# Altium PCB Stepper_Board.PcbDoc (part 1 of 2)
Units mil, origin at the board's own origin, x right, y up, seen from the top; angles counter-clockwise.
Board outline 8267.72 x 4724.41 mil, 2 copper layers (Top Layer, Bottom Layer), stack 62.255 mil thick; 204 components, 138 nets, 645 pads, 842 vias.
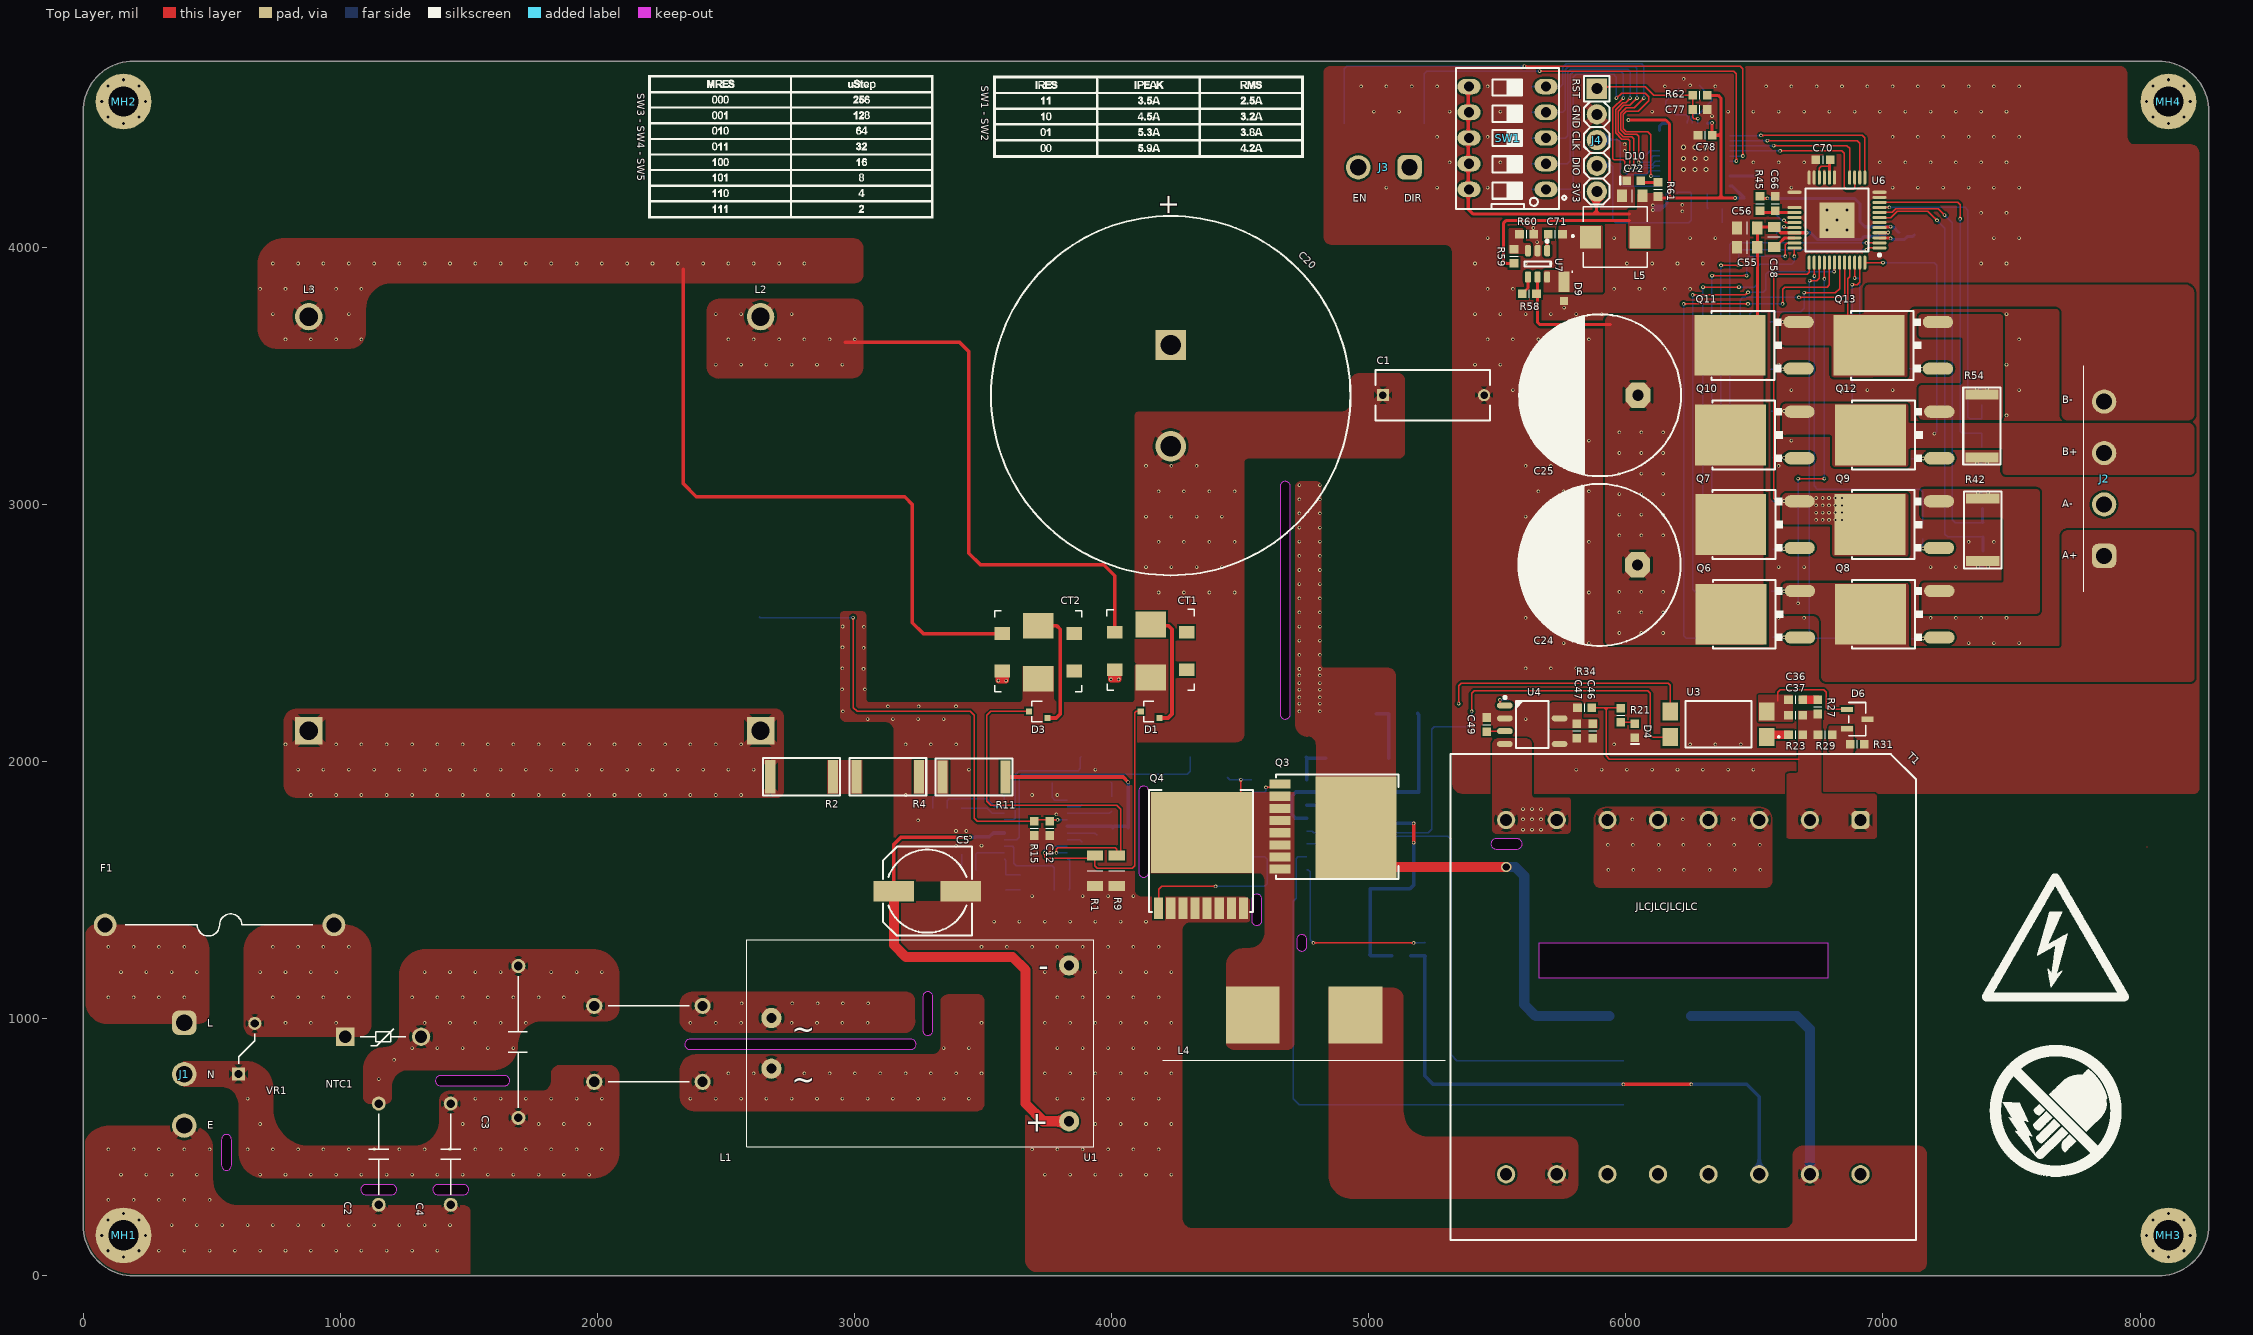
[diagram p0: Top Layer view]
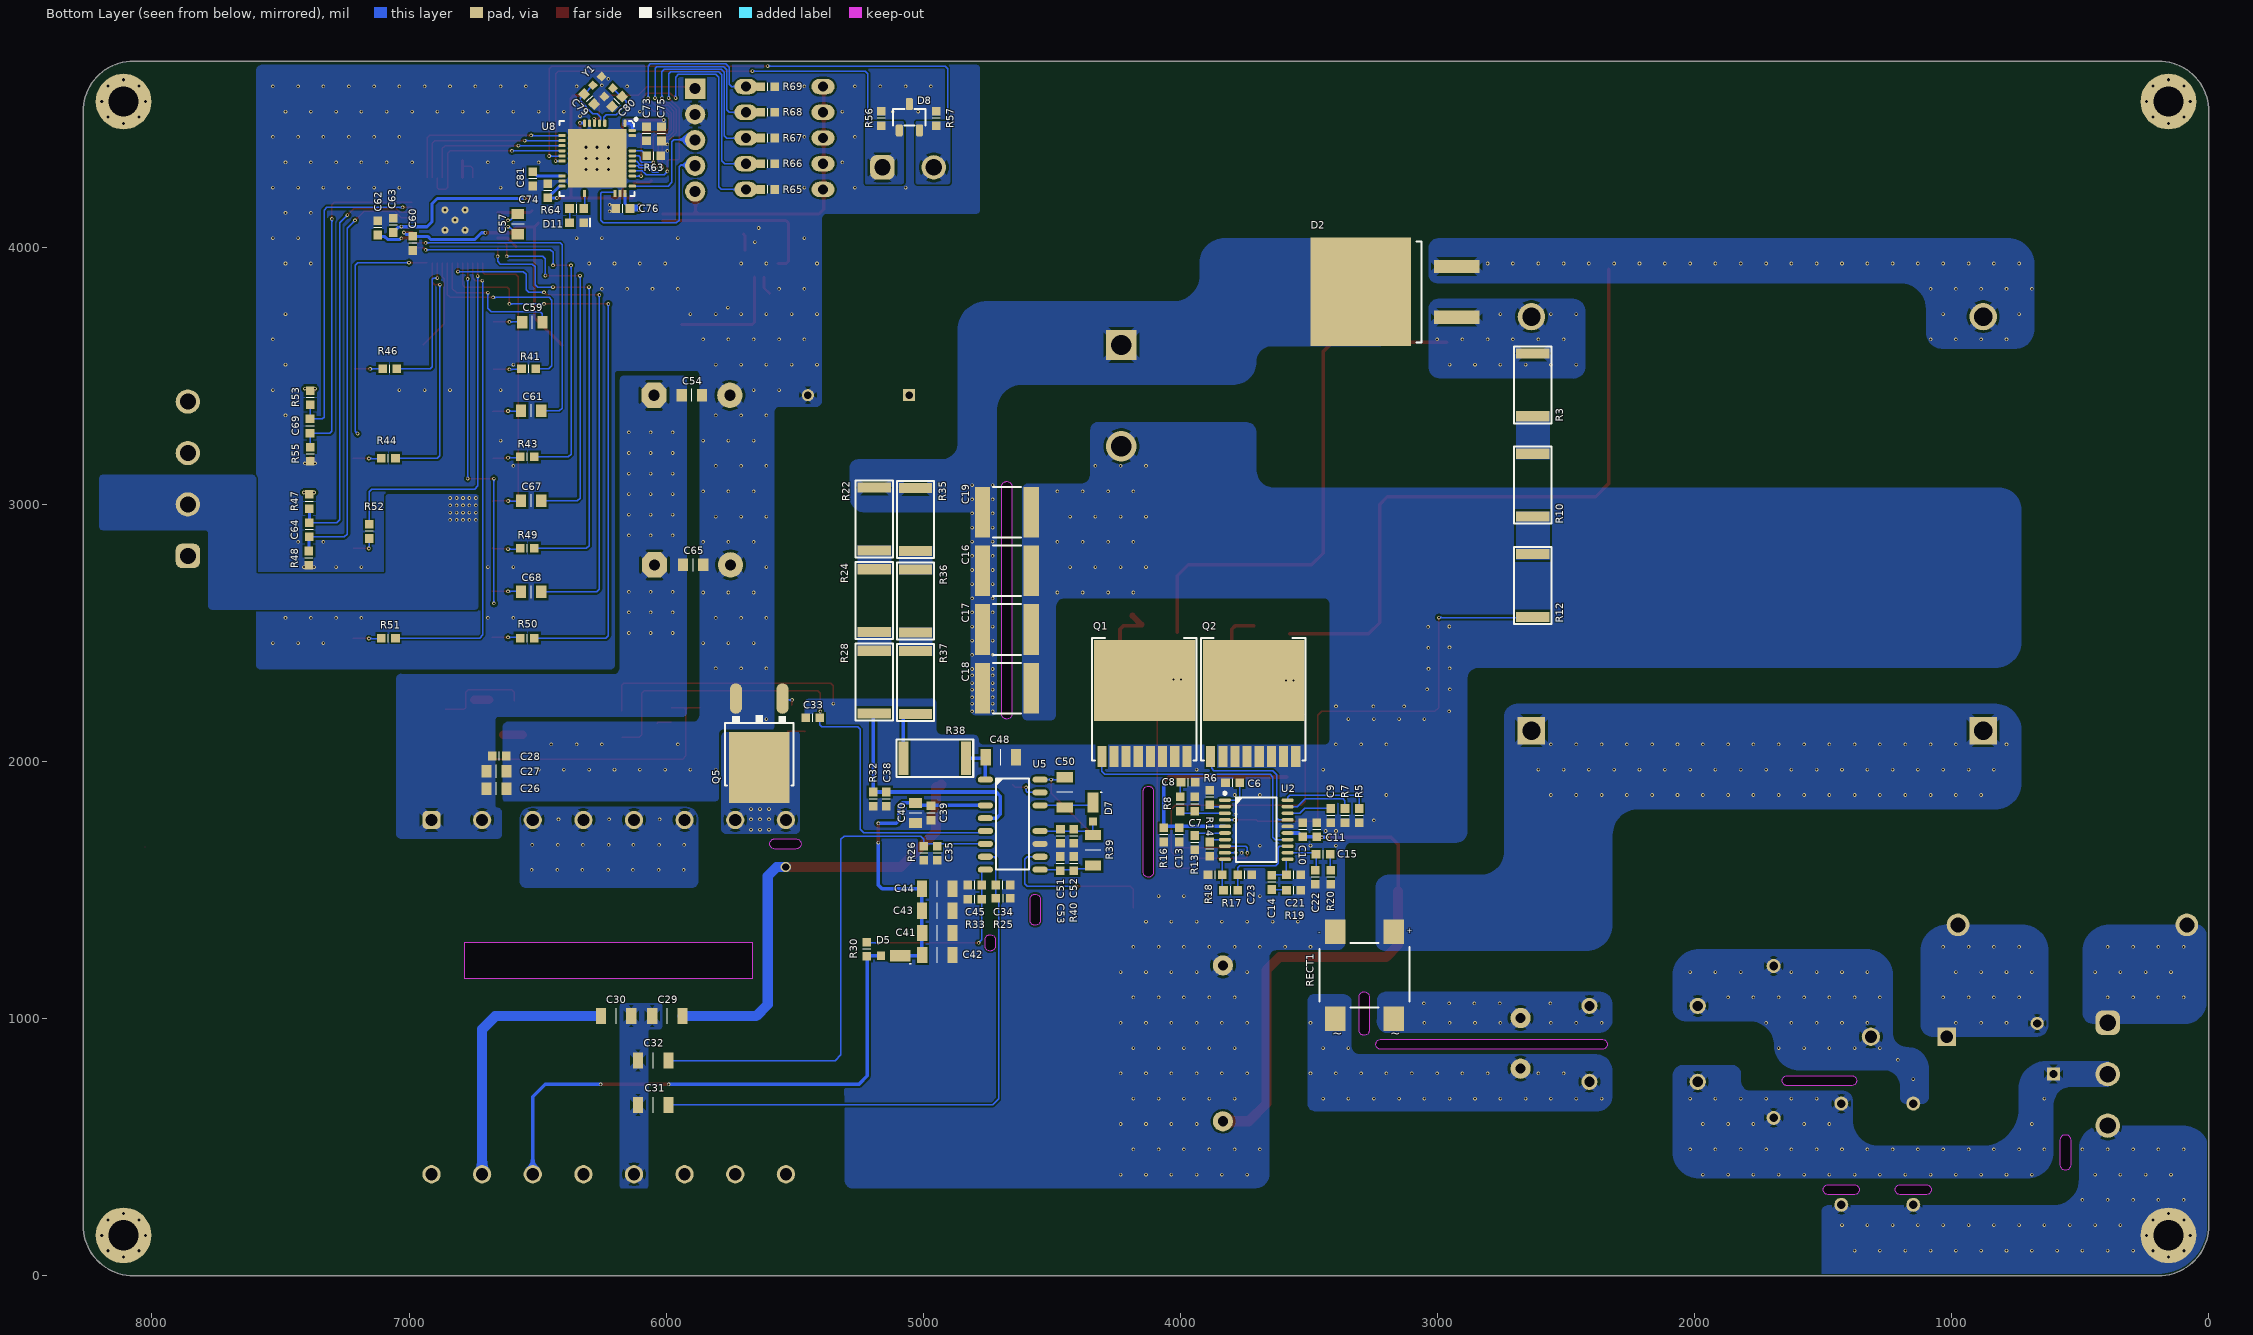
[diagram p1: Bottom Layer view, seen from below]
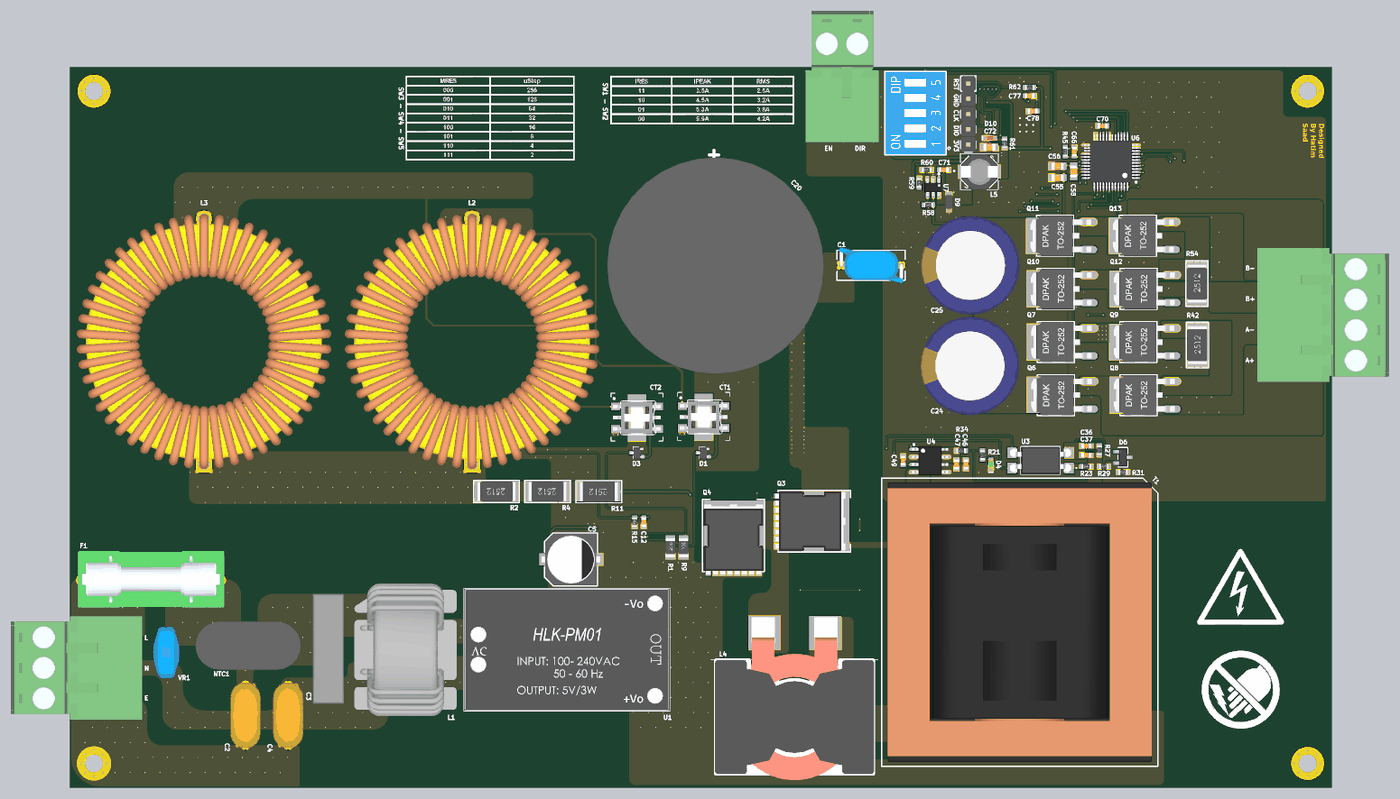
[diagram p3: 3D render of the assembled board from above, using the file's embedded part models]
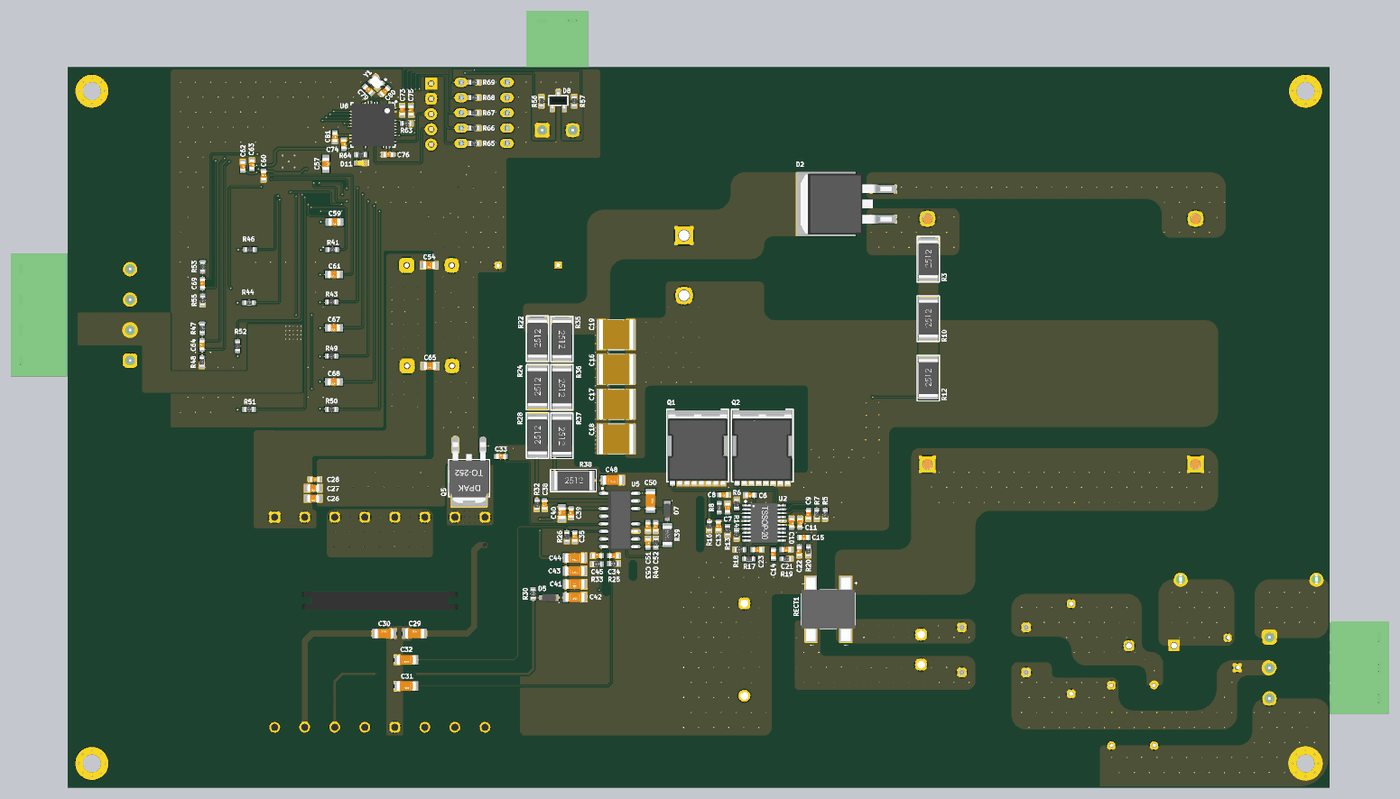
[diagram p4: 3D render of the assembled board from below, using the file's embedded part models]

## Layer stack, top to bottom
Top Solder: solder mask 0.6, Solder Resist, Dk 3.8
Top Layer: signal copper 1.6
Dielectric 1: dielectric 59.0551, FR-4, Dk 4.6
Bottom Layer: signal copper 1.6
Bottom Solder: solder mask 0.6, Solder Resist, Dk 3.8

## Board outline
0,196.85 0,4527.56 cw(c196.85,4527.56) 196.85,4724.41 8070.87,4724.41 cw(c8070.87,4527.56) 8267.72,4527.56 8267.72,196.85 cw(c8070.87,196.85) 8070.87,0 196.85,0 cw(c196.85,196.85)
cut-out: 4759.4,1307.5 ccw(c4739.7,1307.5) 4720,1307.5 4720,1282.5 ccw(c4739.7,1282.5) 4759.4,1282.5
cut-out: 4144.4,1885 ccw(c4124.7,1885) 4105,1885 4105,1570 ccw(c4124.7,1570) 4144.4,1570
cut-out: 5495,1699.4 ccw(c5495,1679.7) 5495,1660 5577.5,1660 ccw(c5577.5,1679.7) 5577.5,1699.4
cut-out: 4584.4,1465 ccw(c4564.7,1465) 4545,1465 4545,1382.5 ccw(c4564.7,1382.5) 4584.4,1382.5
cut-out: 4695,3070 ccw(c4675.3,3070) 4655.6,3070 4655.6,2185 ccw(c4675.3,2185) 4695,2185
cut-out: 2360,920 ccw(c2360,900.3) 2360,880.6 3220,880.6 ccw(c3220,900.3) 3220,920
cut-out: 3305,1085 ccw(c3285.3,1085) 3265.6,1085 3265.6,955 ccw(c3285.3,955) 3305,955
cut-out: 1640,739.3 ccw(c1640,759) 1640,778.7 1390,778.7 ccw(c1390,759) 1390,739.3
cut-out: 1480,315.6 ccw(c1480,335.3) 1480,355 1380,355 ccw(c1380,335.3) 1380,315.6
cut-out: 1200,315.6 ccw(c1200,335.3) 1200,355 1100,355 ccw(c1100,335.3) 1100,315.6
cut-out: 538.25,430 ccw(c557.95,430) 577.65,430 577.65,530 ccw(c557.95,530) 538.25,530

## Design rules (kind name [scope] priority, off if disabled: settings)
BoardOutlineClearance [All] p1: gap=7.87 ignorepadtopadclearanceinfootprint=FALSE
Clearance [All] p1: gap=7.87 ignorepadtopadclearanceinfootprint=TRUE except(5: Arc-Arc Arc-Track Arc-SMDPad Arc-Text Arc-Hole Track-Track Track-SMDPad Track-Text Track-Hole SMDPad-THPad SMDPad-Via SMDPad-Text SMDPad-Hole THPad-Via THPad-Text THPad-Hole Via-Text Via-Hole Fill-Text Fill-Hole Poly-Text Poly-Hole Region-Text Region-Hole Text-Text Text-Hole; 5.91: SMDPad-SMDPad; 13.78: Arc-THPad Track-THPad; 17.72: THPad-THPad)
DiffPairsRouting [All] p1: maxlimit=100 minlimit=5 mostfreqgap=5 toplayer_minwidth=5 toplayer_maxwidth=100 toplayer_prefwidth=5 bottomlayer_minwidth=5 bottomlayer_maxwidth=100 bottomlayer_prefwidth=5 maxuncoupledlength=500
Height [All] p1: minheight=0 maxheight=5000 prefheight=500
HoleSize [All] p1: absolutevalues=TRUE maxlimit=248.03 minlimit=11.81 maxpercent=80.000 minpercent=20.000
PolygonConnect [All] p1: thpad.connectstyle=Relief thpad.reliefconductorwidth=30 thpad.reliefentries=4 thpad.polygonreliefangle="45 Angle" thpad.airgapwidth=10 smdpad.connectstyle=Relief smdpad.reliefconductorwidth=30 smdpad.reliefentries=4 smdpad.polygonreliefangle="45 Angle" smdpad.airgapwidth=10 via.connectstyle=Direct via.reliefconductorwidth=10 via.reliefentries=4 via.polygonreliefangle="90 Angle" via.airgapwidth=10
RoutingVias [All] p1: holewidth=7.87 width=13.78 viastyle="Through Hole" minholewidth=7.87 minwidth=13.78 maxholewidth=248.03 maxwidth=100
SolderMaskExpansion [All] p1: expansion=4 istentingtop=FALSE
SupplyNets "Schematic Supply Nets_9" [InNet('M_VBUS')] p1: voltage=0.000
SupplyNets "Schematic Supply Nets_8" [InNet('N')] p2: voltage=0.000
SupplyNets "Schematic Supply Nets_7" [InNet('N_R')] p3: voltage=0.000
SupplyNets "Schematic Supply Nets_6" [InNet('PGND')] p4: voltage=0.000
SupplyNets "Schematic Supply Nets_5" [InNet('SGND')] p5: voltage=0.000
SupplyNets "Schematic Supply Nets_4" [InNet('Chassis')] p6: voltage=0.000
SupplyNets "Schematic Supply Nets_3" [InNet('L_R')] p7: voltage=0.000
SupplyNets "Schematic Supply Nets_2" [InNet('L')] p8: voltage=0.000
SupplyNets "Schematic Supply Nets_1" [InNet('3V3')] p9: voltage=0.000
UnRoutedNet [All] p1: checkbadconnections=TRUE
Width [All] p1: maxlimit=393.7 minlimit=5 preferedwidth=5 minimp=50.000000 maximp=50.000000 favimp=50.000000
26 further rules are at their usual default settings.

## Classes and differential pairs
component class "User Interface": R65 R66 R67 R68 R69 SW1
component class "Motor Output": D8 J2 J3 R56 R57 TRM?
component class MCU: C73 C74 C75 C76 C77 C78 C79 C80 C81 D10 D11 J4 R61 R62 R63 R64 U8 Y1
component class "Isolated DC-DC": C24 C25 C26 C27 C28 C29 C30 C31 C32 C33 C34 C35 C36 C37 C38 C39 C40 C41 C42 C43 C44 C45 C46 C47 C48 C49 C50 C51 C52 C53 D4 D5 D6 D7 L4 Q3 Q4 Q5 R21 R22 R23 R24 R25 R26 R27 R28 R29 R30 R31 R32 R33 R34 R35 R36 R37 R38 R39 R40 T1 U3 U4 U5
component class "Input Filter": C2 C3 C4 C5 F1 FUSE? J1 L1 NTC1 RECT1 TRM? U1 VR1
component class "H Bridge": C54 C55 C56 C57 C58 C59 C60 C61 C62 C63 C64 C65 C66 C67 C68 C69 C70 Q6 Q7 Q8 Q9 Q10 Q11 Q12 Q13 R42 R43 R44 R45 R46 R47 R48 R49 R50 R51 R52 R53 R54 R55 U6
component class Buck_Converter: C71 C72 D9 L5 R58 R59 R60 U7
component class "Boost PFC Controller": C6 C7 C8 C9 C10 C11 C12 C13 C14 C15 C16 C17 C18 C19 C20 C21 C22 C23 CT1 CT2 D1 D2 D3 L2 L3 Q1 Q2 R1 R2 R3 R4 R5 R6 R7 R8 R9 R10 R11 R12 R13 R14 R15 R16 R17 R18 R19 R20 U2
component class Block_Diagram: C1 MH1 MH2 MH3 MH4
differential pair MCU_XTAL: +MCU_XTAL_P -MCU_XTAL_N

## Components (designator, comment, footprint, x,y, rotation, side; value= is the part's Value field where it differs from the comment)
C1 "2.2nF" C10MM 5055,3425 r0 top
C2 "2.2nF" "CAP: 10MM CERAMIC DISC" 1150,276.3 r90 top
C3 "100nF" "CAP: 15MM FILM CAPACITOR" 1692.91,614.45 r90 top
C4 "2.2nF" "CAP: 10MM CERAMIC DISC" 1430,670 r270 top
C5 "100UF" "CAP SMD 8" 3281.53,1495 r0 top
C6 "2.2nF" "CAP: 0603" 3797.21,1917.31 r0 bottom
C7 "100pF" "CAP: 0603" 3945,1835 r270 bottom
C8 "220nF" "CAP: 0603" 3970,1920 r0 bottom
C9 "4.7nF" "CAP: 0603" 3415,1790 r90 bottom
C10 "0.1UF" "CAP: 0603" 3524.6,1734.97 r270 bottom
C11 "1UF" "CAP: 0603" 3470,1735 r270 bottom
C12 "100pF" "CAP: 0603" 3760,1740 r90 top
C13 "100pF" "CAP: 0603" 4005,1715 r90 bottom
C14 "4.7nF" "CAP: 0603" 3645,1530 r90 bottom
C15 "4.7nF" "CAP: 0603" 3445,1640 r0 bottom
C16 "1UF" "CAP: 2220" 4580.28,2741.96 r270 bottom
C17 "1UF" "CAP: 2220" 4580.28,2513.68 r270 bottom
C18 "1UF" "CAP: 2220" 4580.28,2285.4 r270 bottom
C19 "1UF" "CAP: 2220" 4580.28,2970.25 r270 bottom
C20 "330UF" "CAP: 10MM D: 35MM L: 25MM Snap In" 4230,3620 r270 top
C21 "100pF" "CAP: 0603" 3560,1560 r0 bottom
C22 "100pF" "CAP: 0603" 3475,1550 r90 bottom
C23 "0.1UF" "CAP: 0603" 3750,1560 r0 bottom
C24 "470UF" "CAP: D16C7.5H25" 5897.36,2765 r180 top
C25 "470UF" "CAP: D16C7.5H25" 5899.92,3424.51 r180 top
C26 "22UF" "CAP: 0805" 6660,1895 r0 bottom
C27 "22UF" "CAP: 0805" 6660,1962.21 r0 bottom
C28 "0.1UF" "CAP: 0603" 6648.75,2021.55 r0 bottom
C29 "470pF" "CAP: 1206" 5995,1010 r180 bottom
C30 "470pF" "CAP: 1206" 6195,1010 r180 bottom
C31 "68pF" "CAP: 1206" 6050,665 r0 bottom
C32 "150pF" "CAP: 1206" 6050,837.5 r0 bottom
C33 "100pF" "CAP: 0603" 5430,2170 r180 bottom
C34 "8.2nF" "CAP: 0603" 4690,1520 r0 bottom
C35 "100pF" "CAP: 0603" 4946.06,1643.66 r90 bottom
C36 "1000pF" "CAP: 0603" 6660,2240 r180 top
C37 "1000pF" "CAP: 0603" 6660,2180 r180 top
C38 "22pF" "CAP: 0603" 5143.54,1854.17 r90 bottom
C39 "2.2UF" "CAP: 0603" 4970,1800 r90 bottom
C40 "10UF" "CAP: 0805" 5030,1800 r90 bottom
C41 "47UF" "CAP: 1206" 4945,1333.2 r0 bottom
C42 "47UF" "CAP: 1206" 4945,1248.2 r0 bottom
C43 "47UF" "CAP: 1206" 4946.03,1419.89 r0 bottom
C44 "47UF" "CAP: 1206" 4946.03,1505.39 r0 bottom
C45 "100pF" "CAP: 0603" 4800,1520 r180 bottom
C46 "2.2UF" "CAP: 0603" 5870.84,2118.93 r90 top
C47 "0.1UF" "CAP: 0603" 5809.54,2118.93 r90 top
C48 "100pF" "CAP: 1206" 4698.09,2016.63 r0 bottom
C49 "2.2UF" "CAP: 0603" 5459.54,2143.93 r270 top
C50 "3.3UF" "CAP: 1206" 4450,1880 r270 bottom
C51 "4.7UF" "CAP: 0603" 4466.46,1710 r90 bottom
C52 "4.7UF" "CAP: 0603" 4415,1710 r90 bottom
C53 "68nF" "CAP: 0603" 4466.83,1603.42 r270 bottom
C54 "470nF" "CAP: 0805" 5900,3425 r0 bottom
C55 "100nF" "CAP: 0805" 6471.71,4000.23 r0 top
C56 "22UF" "CAP: 0805" 6471.71,4075.23 r180 top
C57 "22nF" "CAP: 0805" 6576.71,4090.23 r270 bottom
C58 "100nF" "CAP: 0805" 6576.71,4040.23 r90 top
C59 "470nF" "CAP: 0805" 6520.24,3708.37 r0 bottom
C60 "0.1UF" "CAP: 0603" 6985,4015 r90 bottom
C61 "470nF" "CAP: 0805" 6525.24,3365 r0 bottom
C62 "2.2UF" "CAP: 0603" 7121.71,4075.23 r270 bottom
C63 "2.2UF" "CAP: 0603" 7061.71,4085.23 r270 bottom
C64 "2.2nF" "CAP: 0603" 7388.62,2901.38 r90 bottom
C65 "470nF" "CAP: 0805" 5895,2765 r0 bottom
C66 "470nF" "CAP: 0603" 6581.71,4170.23 r270 top
C67 "470nF" "CAP: 0805" 6525,3015 r0 bottom
C68 "470nF" "CAP: 0805" 6525.24,2660 r0 bottom
C69 "2.2nF" "CAP: 0603" 7385,3305 r90 bottom
C70 "0.1UF" "CAP: 0603" 6766.71,4340.23 r0 top
C71 "100nF" "CAP: 0603" 5726.08,4050.71 r180 top
C72 "10UF" "CAP: 0805" 6025,4200 r0 top
C73 "100nF" "CAP: 0603" 6076.49,4441.76 r90 bottom
C74 "100nF" "CAP: 0603" 6460,4220 r270 bottom
C75 "100nF" "CAP: 0603" 6018.27,4440.83 r90 bottom
C76 "100nF" "CAP: 0603" 6168.27,4150.83 r180 bottom
C77 "100nF" "CAP: 0603" 6288.27,4535.83 r0 top
C78 "100nF" "CAP: 0603" 6308.27,4435.83 r180 top
C79 "22pF" "CAP: 0603" 6299.45,4576.56 r225 bottom
C80 "22pF" "CAP: 0603" 6190.94,4566.63 r315 bottom
C81 "4.7UF" "CAP: 0603" 6518.27,4265.83 r270 bottom
CT1 "PM2165.100NLT" "CT: PM2165.100NLT" 4152.13,2430 r270 top
CT2 "PM2165.100NLT" "CT: PM2165.100NLT" 3715,2425 r270 top
D1 "BAT54SWT1G" SOT323 4149.99,2195 r90 top
D2 "600V 16A" D2PAK 2865.94,3826.57 r0 bottom
D3 "BAT54SWT1G" SOT323 3715,2195 r90 top
D4 "GREEN" "LED: 0603G" 6035,2120 r90 top
D5 "V1PM15-M3/H" DO-219AD-2 5115,1245 r0 bottom
D6 "TL431AQDBZR,215" SOT23(TO-236AB)_NEX 6900,2165.2 r270 top
D7 "V1PM15-M3/H" DO-219AD-2 4339.99,1815.46 r270 bottom
D8 "PESD5V0U2BT,215" SOT23_3 5054.17,4505.98 r90 bottom
D9 "V1PM15-M3/H" DO-219AD-2 5760,3840 r270 top
D10 "RED" "LED: 0603R" 6030.35,4259.34 r0 top
D11 "YELLOW" "LED: 0603Y" 6348.27,4095.83 r0 bottom
F1 "5X20MM" "FUSE HOLDER 5X20MM" 86.02,1365 r0 top
J1 "3P" 691313510003 393.7,984.25 r270 top
J2 "4P" 691313510004 7863.94,2800 r90 top
J3 "2P" 691313510002 5159.17,4310.98 r180 top
J4 "CONN 5" "CON: PLS-5" 5887.14,4417 r270 top
L1 "1mH" 744823601 1988.19,1050 r270 top
L2 "250UH" "IND: ATCA-08-251M-H" 2635,2120 r0 top
L3 "250UH" "IND: ATCA-08-251M-H" 878,2120 r0 top
L4 "10uH" "IND: PQ2614BLA100K" 4747.87,536.89 r180 top
L5 "47uH" MDH6045C 5959.02,4039.57 r0 top
MH1 "M3" "M3 MOUNTING HOLE" 157.48,157.48 r0 top locked
MH2 "M3" "M3 MOUNTING HOLE" 157.48,4566.93 r0 top locked
MH3 "M3" "M3 MOUNTING HOLE" 8110.24,157.48 r0 top locked
MH4 "M3" "M3 MOUNTING HOLE" 8110.24,4566.93 r0 top locked
NTC1 "BN-LG15Y6R0MYB" "NTC RADIAL: 7.5X1MM" 1019.72,930 r0 top
Q1 "IPT60R099CM8XTMA1" 8-HSOF 4305.71,2019.72 r180 bottom
Q2 "IPT60R099CM8XTMA1" 8-HSOF 3882.32,2019.72 r180 bottom
Q3 "IPT60R065S7XTMA1" 8-HSOF 4654.72,1912.32 r270 top
Q4 "IPT60R065S7XTMA1" 8-HSOF 4182.68,1429.72 r0 top
Q5 "IPD053N06NATMA1" DPAK_3 5635,2115 r0 bottom
Q6 "IPD053N06NATMA1" DPAK_3 6547.16,2569.93 r90 top
Q7 "IPD053N06NATMA1" DPAK_3 6545.78,2918.46 r90 top
Q8 "IPD053N06NATMA1" DPAK_3 7088.97,2569.93 r90 top
Q9 "IPD053N06NATMA1" DPAK_3 7087.58,2918.46 r90 top
Q10 "IPD053N06NATMA1" DPAK_3 6544.96,3266.99 r90 top
Q11 "IPD053N06NATMA1" DPAK_3 6542.16,3615.52 r90 top
Q12 "IPD053N06NATMA1" DPAK_3 7088.97,3266.99 r90 top
Q13 "IPD053N06NATMA1" DPAK_3 7083.97,3615.52 r90 top
R1 "5 Ohms" "RES: 1206" 3935,1575 r90 top
R2 "430K" "RES: 2512" 2794.38,1941.08 r180 top
R3 "430K" "RES: 2512" 2630,3465 r90 bottom
R4 "430K" "RES: 2512" 3129.69,1941.08 r180 top
R5 "390K" "RES: 0603" 3305,1790 r90 bottom
R6 "6.8K" "RES: 0603" 3885.4,1860.43 r270 bottom
R7 "43K" "RES: 0603" 3360,1790 r90 bottom
R8 "150K" "RES: 0603" 4000,1835 r270 bottom
R9 "5 Ohms" "RES: 1206" 4020,1575 r90 top
R10 "430K" "RES: 2512" 2630,3075 r90 bottom
R11 "430K" "RES: 2512" 3465,1940 r180 top
R12 "430K" "RES: 2512" 2630,2685 r90 bottom
R13 "2.2K" "RES: 0603" 3945,1685 r90 bottom
R14 "220K" "RES: 0603" 3885.4,1659.5 r90 bottom
R15 "10K" "RES: 0603" 3700,1740 r90 top
R16 "10K" "RES: 0603" 4065,1715 r90 bottom
R17 "82K" "RES: 0603" 3805,1500 r180 bottom
R18 "10K" "RES: 0603" 3865,1560 r180 bottom
R19 "10K" "RES: 0603" 3560,1500 r0 bottom
R20 "10K" "RES: 0603" 3415,1550 r90 bottom
R21 "100K" "RES: 0603" 5980,2180 r90 top
R22 "5.6M" "RES: 2512" 5190.26,2943.2 r90 bottom
R23 "1K" "RES: 0603" 6660,2105 r180 top
R24 "5.6M" "RES: 2512" 5190.26,2626.11 r90 bottom
R25 "460K" "RES: 0603" 4689.98,1468.54 r0 bottom
R26 "1K" "RES: 0603" 4997.52,1643.66 r90 bottom
R27 "1K" "RES: 0603" 6746.03,2212.44 r90 top
R28 "5.6M" "RES: 2512" 5190.26,2309.03 r90 bottom
R29 "185K" "RES: 0603" 6775,2105 r0 top
R30 "360K" "RES: 0603" 5220,1270 r270 bottom
R31 "10K" "RES: 0603" 6900.09,2067.46 r0 top
R32 "143K" "RES: 0603" 5195,1854.17 r90 bottom
R33 "150K" "RES: 0603" 4800,1465 r180 bottom
R34 "4.4K" "RES: 0603" 5839.54,2208.93 r0 top
R35 "16K" "RES: 2512" 5030.26,2941.51 r270 bottom
R36 "16K" "RES: 2512" 5030.26,2624.42 r270 bottom
R37 "16K" "RES: 2512" 5030.26,2307.33 r270 bottom
R38 "16K" "RES: 2512" 4955.26,2013.48 r180 bottom
R39 "549K" "RES: 1206" 4340,1655 r90 bottom
R40 "316K" "RES: 0603" 4415,1603.42 r270 bottom
R41 "22" "RES: 0603" 6535,3528.37 r180 bottom
R42 "50mOhm" "RES: 2512" 7388.62,2901.38 r90 top
R43 "22" "RES: 0603" 6540,3185 r180 bottom
R44 "22" "RES: 0603" 7080,3180 r180 bottom
R45 "2.2K" "RES: 0603" 6521.71,4170.23 r90 top
R46 "22" "RES: 0603" 7075,3528.37 r180 bottom
R47 "47" "RES: 0603" 7387.63,3011.38 r270 bottom
R48 "47" "RES: 0603" 7389.6,2791.38 r90 bottom
R49 "22" "RES: 0603" 6540,2830 r180 bottom
R50 "22" "RES: 0603" 6540,2480 r180 bottom
R51 "22" "RES: 0603" 7080,2480 r180 bottom
R52 "22" "RES: 0603" 7155,2895 r90 bottom
R53 "47" "RES: 0603" 7384.02,3415 r270 bottom
R54 "50mOhm" "RES: 2512" 7385,3305 r90 top
R55 "47" "RES: 0603" 7384.02,3195 r90 bottom
R56 "10K" "RES: 0603" 5164.17,4500.98 r90 bottom
R57 "10K" "RES: 0603" 4949.17,4500.98 r90 bottom
R58 "100k" "RES: 0603" 5625,3820 r0 top
R59 "33.2k" "RES: 0603" 5565,3965 r270 top
R60 "10k" "RES: 0603" 5613.9,4050.71 r180 top
R61 "10K" "RES: 0603" 6125,4225 r90 top
R62 "10K" "RES: 0603" 6288.27,4590.83 r180 top
R63 "100K" "RES: 0603" 6048.27,4355.83 r0 bottom
R64 "10K" "RES: 0603" 6348.27,4150.83 r180 bottom
R65 "10K" "RES: 0603" 5605,4225 r180 bottom
R66 "10K" "RES: 0603" 5605,4325 r180 bottom
R67 "10K" "RES: 0603" 5605,4425 r180 bottom
R68 "10K" "RES: 0603" 5605,4525 r180 bottom
R69 "10K" "RES: 0603" 5605,4625 r180 bottom
RECT1 "1000V 6A" TBSG-4 3284.17,1169.29 r180 bottom
SW1 "DIP5" DIPSW254_5 5540,4425 r180 top
T1 "360-400Vin, 24Vout, 250W" WE-LLCR_ETD44 6223.43,1083.98 r270 top
U1 "HLK-PM12" HLK-PM01 2677.17,1002.65 r0 top
U2 "UCC28070PWR" 20-TSSOP 3705,1735 r180 bottom
U3 "VO618A-3X017T" 4-SMD_2 6360,2145 r180 top
U4 "UCC24624DR" 8-SOIC 5635.84,2143.19 r0 top
U5 "UCC256402ADDBR" "14-SOIC (DDB)" 4651.89,1754.8 r180 bottom
U6 "TMC5160A-TA-T" 48-TQFP 6821.08,4105.86 r180 top
U7 "LV2862XLVDDCR" SOT23-6 5656.69,3935.63 r270 top
U8 "STM32F411CEU6" STM32F411CEU6 6268.27,4345.83 r270 bottom
VR1 "275VAC" B72307S0271K101 605,785 r90 top
Y1 "ECS-160-10-37-RWM-TR" "OSC: 2016" 6245.8,4624.92 r45 bottom
